# KiCad board EEZ DIB DCP405plus.kicad_pcb (continued)
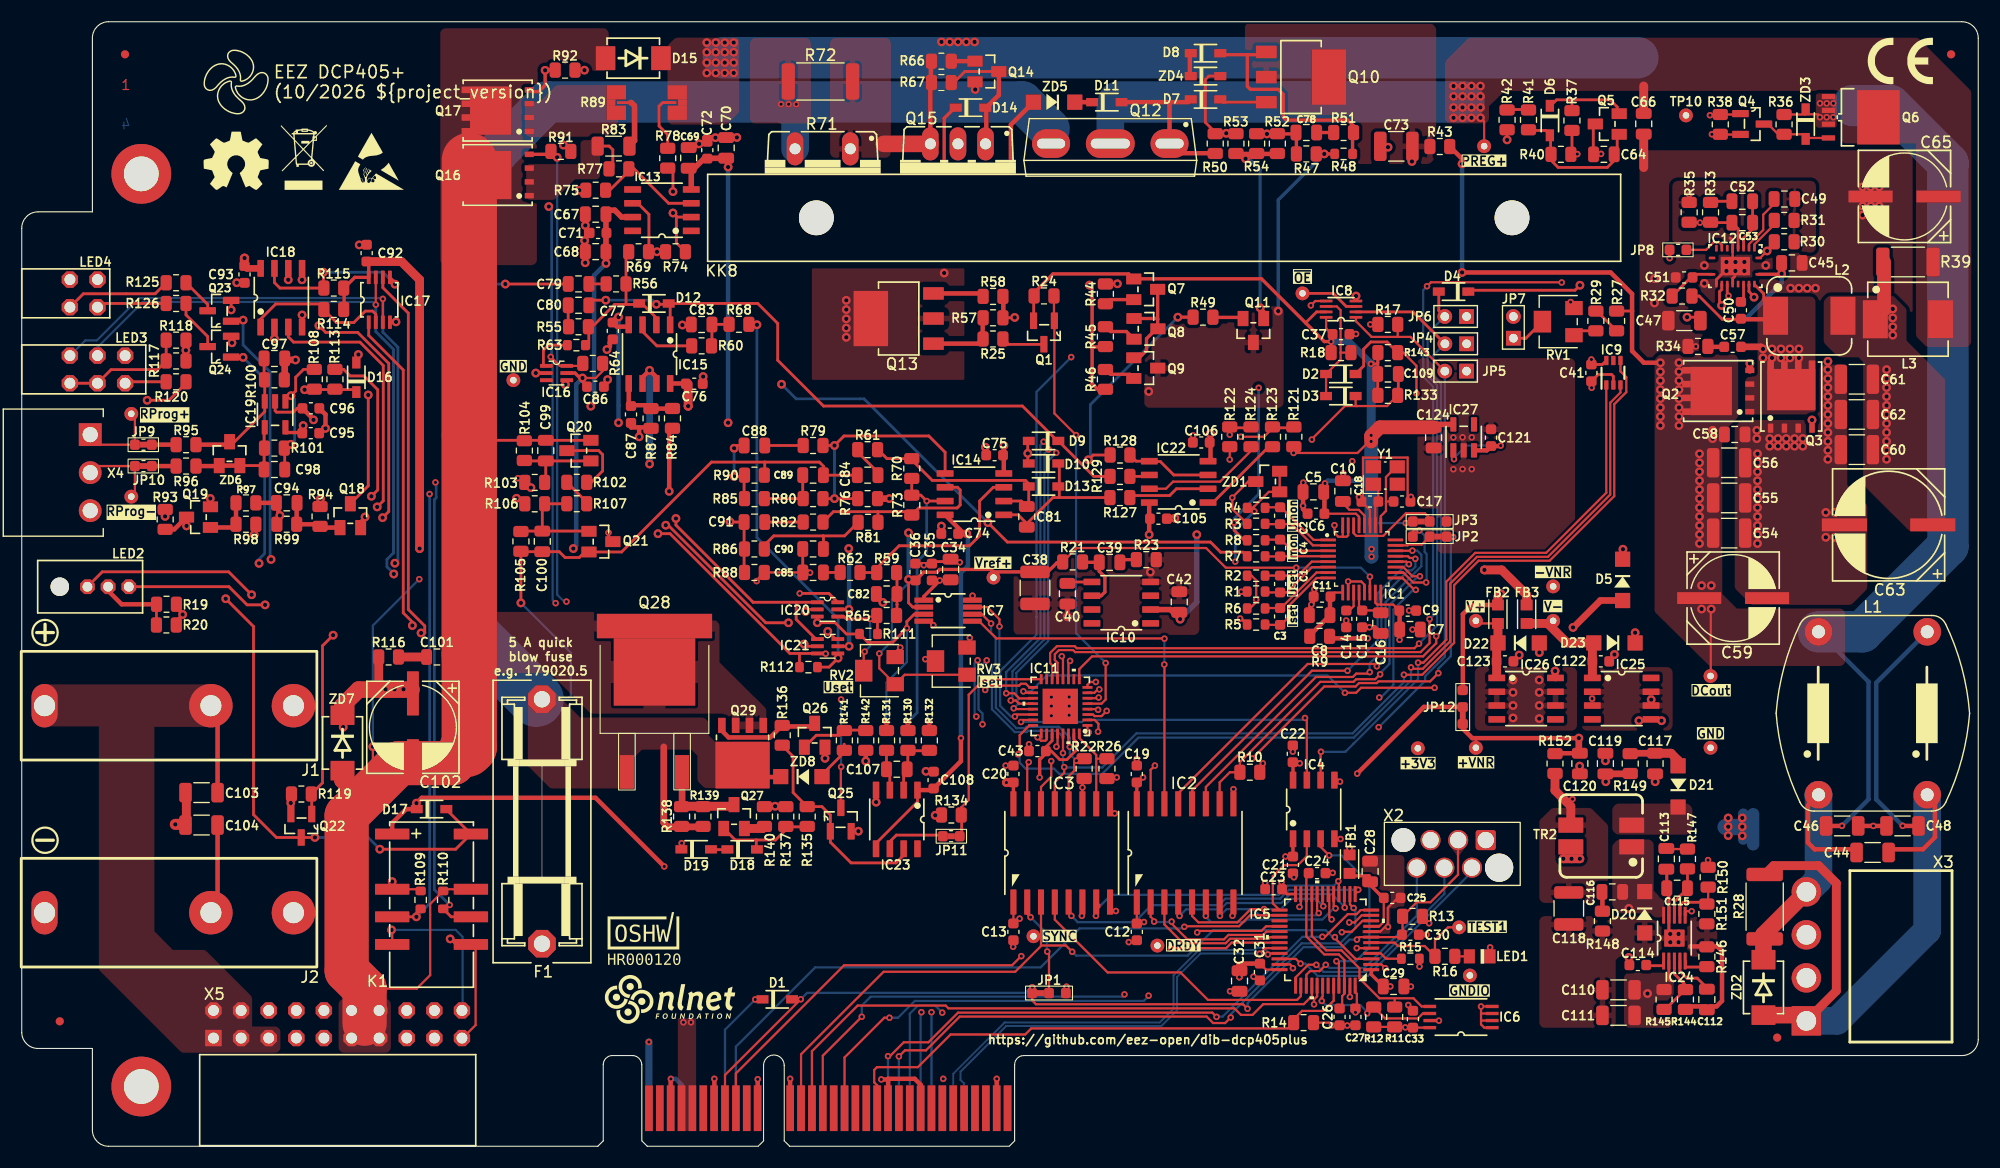
[diagram p0: board, top side]
## Placement (name value [footprint] x y rotation side) (continued)
R137  100K  [R_0805_2012Metric]  70.3 30.35 270 top
R138  1K  [R_0805_2012Metric]  60.71 30.35 270 top
R139  1K  [R_0805_2012Metric]  62.68 30.35 270 top
R140  6R2  [R_0805_2012Metric]  68.33 30.35 270 top
R141  10K  [R_0805_2012Metric]  75.68 37.35 270 top
R142  10K  [R_0805_2012Metric]  77.65 37.35 90 top
R143  10K  [R_0805_2012Metric]  125.68 73.05 0 top
R144  2K2  [R_0805_2012Metric]  153.06 13.51 90 top
R145  47K  [R_0805_2012Metric]  151.09 13.51 90 top
R146  330K  [R_0805_2012Metric]  155.03 17.44 270 top
R147  86K6  [R_0805_2012Metric]  153.25 26.44 270 top
R148  10R  [R_0805_2012Metric]  145.42 20.72 270 top
R149  10R  [R_0805_2012Metric]  147.98 35.22 270 top
R150  51K  [R_0805_2012Metric]  155.15 24.76 270 top
R151  4K7  [R_0805_2012Metric]  155.03 21.38 270 top
R152  10R  [R_0805_2012Metric]  141.06 35.22 90 top
RV1  3214W-1-104E  [TRIM_3214W-1-104E]  141.36 75.9 180 top  (not fitted)
RV2  3214W-1-104E  [TRIM_3214W-1-104E]  78.91 43.78 180 top  (not fitted)
RV3  3214W-1-104E  [TRIM_3214W-1-104E]  85.52 44.65 180 top  (not fitted)
TP1  TEST-PIN_0.9MM  [Testhole 24_50mils]  93.08 19.33 0 top
TP2  TEST-PIN_0.9MM  [Testhole 24_50mils]  104.48 18.47 0 top
TP3  TEST-PIN_0.9MM  [Testhole 24_50mils]  132.24 20.15 0 top
TP4  TEST-PIN_0.9MM  [Testhole 24_50mils]  133.23 15.72 0 top
TP5  TEST-PIN_0.9MM  [Testhole 24_50mils]  117.83 78.5 0 top
TP6  PCB_TEST_TABSHIELD  [Testhole 24_50mils]  89.4 52.34 0 top
TP7  PCB_TEST_TABSHIELD  [Testhole 24_50mils]  45.23 70.51 0 top
TP8  PCB_TEST_TABSHIELD  [Testhole 24_50mils]  155.37 36.68 0 top
TP9  TEST-PIN_0.9MM  [Testhole 24_50mils]  155.37 43.28 0 top
TP10  TEST-PIN_0.9MM  [Testhole 24_50mils]  153.11 94.88 0 top
TP11  TEST-PIN_0.9MM  [Testhole 24_50mils]  134.54 92.05 0 top
TP12  PCB_TEST_TABSHIELD  [Testhole 24_50mils]  10.08 67.41 0 top
TP13  PCB_TEST_TABSHIELD  [Testhole 24_50mils]  10.08 59.79 0 top
TP14  TEST-PIN_0.9MM  [Testhole 24_50mils]  140.89 51.53 0 top
TP15  TEST-PIN_0.9MM  [Testhole 24_50mils]  133.78 36.68 0 top
TP16  TEST-PIN_0.9MM  [Testhole 24_50mils]  133.78 48.36 0 top
TP17  TEST-PIN_0.9MM  [Testhole 24_50mils]  140.89 48.36 0 top
TP18  TEST-PIN_0.9MM  [Testhole 24_50mils]  128.44 36.63 0 top
TR2  SRF0703-821M  [SRF0703]  145.31 28.56 270 top
X1  PCB Edge connector  [DIB 2.0 edge card connector]  57.3 4.05 0 top
X2  N.C.  [WR-WST_490107670612_DEBUG]  134.69 28.18 0 top
X3  B4PS-VH (LF)(SN)  [B4PS-VH]  164.19 17.48 90 top
X4  -  [TBP03R1-350-03BE]  6.3 65.5 270 top
X5  ZL263-20DG  [SSW-110-02-T-D-RA]  40.5 12.5 180 top
Y1  ECS-163.84-10-33-JGN-TR  [XTAL_403C11A24M00000]  125.45 61.73 90 top
ZD1  CDSOT23-SLVU2.8  [SOT23-3]  114.63 61.18 90 top  (not fitted)
ZD2  P6SMB68A  [DO214AA]  160.24 14.62 270 top
ZD3  BZX384-C15  [SOD-323_1P8X1P35_ONS-M]  164.12 94.08 270 top
ZD4  BZX384-C15  [SOD-323_1P8X1P35_ONS-M]  108.91 98.5 0 top
ZD5  BZT52C6V2  [SOD123]  94.98 96.1 180 top
ZD6  SLVU2.8.TCT  [SOT23-3]  19.12 63.75 0 top
ZD7  P6SMB68A  [DO214AA]  29.51 37.12 270 top
ZD8  MMSZ5230BT1G  [SOD123]  71.73 34.03 0 top

## Library data of the parts
C1 = -: DigiKey: 1276-1018-1-ND; Mouser: 187-CL10B102KB8NNNC; TME: CL10B102KB8NNNC; LCSC: C1588; Label: Uset; Arrow (EUROPE): CL10B104KA8NNNC; Arrow (ACNA): C0805C102J5GAC
C2 = -: DigiKey: 1276-1018-1-ND; Mouser: 187-CL10B102KB8NNNC; TME: CL10B102KB8NNNC; LCSC: C1588; Label: Umon; Arrow (EUROPE): CL10B104KA8NNNC; Arrow (ACNA): C0805C102J5GAC
C3 = -: DigiKey: 1276-1018-1-ND; Mouser: 187-CL10B102KB8NNNC; TME: CL10B102KB8NNNC; LCSC: C1588; Label: Iset; Arrow (EUROPE): CL10B104KA8NNNC; Arrow (ACNA): C0805C102J5GAC
C4 = -: DigiKey: 1276-1018-1-ND; Mouser: 187-CL10B102KB8NNNC; TME: CL10B102KB8NNNC; LCSC: C1588; Label: Imon; Arrow (EUROPE): CL10B104KA8NNNC; Arrow (ACNA): C0805C102J5GAC
C5 C7 C8 C10 C16 C28 C29 C34 C39 C40 C66 C68 C70 C124 = -: DigiKey: 1276-2931-1-ND; Mouser: 603-CC805MKX7R7BB105; TME: CL21B105KOFNNNE
C6 C9 C11-C13 C15 C19-C23 C25 C27 C31 C33 C35-C37 C41 C43 C50 C71 C72 C74-C77 C86 C87 C105 C106 C108 C114 C121-C123 = -: DigiKey: 1276-6717-1-ND; Mouser: 80-C0603C104M4R; TME: CL10B104KA8NNNC; LCSC: C14663; Arrow (EUROPE): CL10B104KA8NNNC; Arrow (ACNA): CL10B104KA8NNNC
C14 = -: DigiKey: 490-16405-1-ND; Mouser: 81-GCM188R71C274KA7D; TME: GCM188R71C274KA37D; LCSC: C710684
C17 C18 = -: TME: VJ0603A100JXACW1BC; DigiKey: 1276-2149-1-ND; Mouser: 187-CL10C100CB8NNNC; LCSC: C1634; Arrow (EUROPE): CL10C100CB8NNNC; Arrow (ACNA): CL10C100CB8NNNC
C24 C26 = -: DigiKey: 490-12332-1-ND; Mouser: 81-GRT188R61H225KE3D; TME: GRT188R61H225KE13D; LCSC: C77047
C30 C57 = -: DigiKey: 1276-1018-1-ND; Mouser: 187-CL10B102KB8NNNC; TME: CL10B102KB8NNNC; LCSC: C1588; Arrow (EUROPE): CL10B104KA8NNNC; Arrow (ACNA): C0805C102J5GAC
C32 C42 C117 C119 C120 = -: DigiKey: 1276-CL21A475KACLRNCCT-ND; Mouser: 187-CL21A475KAQNNNE; TME: CL21A475KAQNNNE; LCSC: C1779
C38 C118 = -: DigiKey: 1276-1851-1-ND; Mouser: 963-MAAST32MSB7226MP; TME: CL32A226KAJNNNE; LCSC: C52306
C44 C46 C48 C103 C104 = -: DigiKey: 311-4491-1-ND; Mouser: 603-C1206KRX7RABB103; TME: VJ1206Y103KXCTW1BC; Arrow (EUROPE): CC1206KRX7RABB103; Arrow (ACNA): CC1206KRX7RABB103
C45 C58 C101 = -: DigiKey: 587-5014-1-ND; Mouser: 963-HMK212C7474MGHTE; TME: GRM21BR72A474KA73L; LCSC: C97926
C47 C110 C111 = -: DigiKey: 1276-3138-1-ND; Mouser: 187-CL31B225KCHSNNE; TME: C3216X7S2A225KAB
C49 C52 C67 C69 C78 C99 C100 C112 C113 = -: DigiKey: 490-7194-1-ND; Mouser: 710-885012207122; TME: GRM216R71H103KA01D
C51 = -: DigiKey: 732-7847-1-ND; Mouser: 80-C0603C150J5G; TME: C0603C150J5GAC
C53 C85 = -: DigiKey: 732-7853-1-ND; Mouser: 80-C0805C151J5G; TME: 0805N151J500CT
C54-C56 C73 = -: DigiKey: 587-5034-1-ND; Mouser: 810-CGA6M3X7S2A475K; TME: -
C59 C65 = -: DigiKey: PCE3815CT-ND; Mouser: 667-EEE-FK1H470P; LCSC: C278400; Arrow (EUROPE): EEE-FK1H470P; Arrow (ACNA): EEE-FK1H470P
C60-C62 = -: DigiKey: 1276-3387-1-ND; Mouser: 187-CL32A106KBJNNNE; TME: CL31A106KBHNNNE
C63 = -: DigiKey: PCE3819CT-ND; Mouser: 667-EEE-FK1J101P; LCSC: C128460; Arrow (EUROPE): EEE-FK1J101P; Arrow (ACNA): EEE-FK1J101P
C64 = -: DigiKey: 732-7837-1-ND; Mouser: 710-885012007038; TME: CC0805JRNPO9BN471
C79 = -: DigiKey: 399-C0805C682K5RACTUCT-ND; Mouser: 80-C0805C682K5R; TME: 0805B682K500CT
C80 C107 C109 = -: DigiKey: 732-12255-1-ND; Mouser: 80-C0805C472K5RACLR; TME: GRM2165C1H472JA01D
C81 C97 C98 = -: DigiKey: 399-15000-1-ND; Mouser: 80-C0805C101K5G; TME: CL21C101JBANNNC
C82 C83 = -: DigiKey: 1276-2478-1-ND; Mouser: 80-C0805C222K5RACLR; LCSC: C307541; TME: 0805B222K201CT
C84 C116 = -: DigiKey: 311-1117-1-ND; Mouser: 80-C0805C331J5G; TME: C0805C331J5GACTU
C89 C90 = -: DigiKey: 399-C0805C222K5RAC7210TR-ND; Mouser: 80-C0805C222K5RACLR
C92 C93 C95 C96 = -: DigiKey: 1276-6717-1-ND; Mouser: 80-C0603C104M4R; TME: CL10B104KA8NNNC; LCSC: C14663
C94 = -: DigiKey: 1276-2478-1-ND; Mouser: 80-C0805C222K5RACLR; TME: 0805B222K201CT; LCSC: C307541
C102 = -: DigiKey: 565-HHXD630ARA330MHA0GCT-ND; Mouser: 661-XD630ARA330MHA0G; TME: -; LCSC: C2157841
C115 = -: DigiKey: 399-C0805C330J5GACTUCT-ND; Mouser: C0805C330K5GACTU; TME: C0805C330J1GAC
D1-D4 D6-D14 D16-D19 = -: DigiKey: 5399-BAS316CT-ND; Mouser: 637-BAS316WS-AQ; TME: BAS316-QX; LCSC: C2128
D5 D20-D23 = -: DigiKey: RB160MM-60CT-ND; Mouser: 755-RB160MM-60TR; TME: SKL16-DIO; LCSC: C323858
D15 = -: DigiKey: SK56A-LTPMSCT-ND; Mouser: 833-SK56A-LTP; TME: SK55-DIO
F1 = -: DigiKey: 732-11370-ND; Mouser: 710-696101000002
FB1-FB3 = -: Description: Ferrite bead; DigiKey: 490-7809-1-ND; Mouser: 81-BLM18AG102SH1D; LCSC: C337877; ki_fp_filters: Inductor_* L_* *Ferrite*
IC1 = -: Description: 4-Channel, 24-Bit, 128-kSPS, Simultaneous-Sampling, Delta-Sigma ADC; DigiKey: 296-44202-1-ND; Mouser: 595-ADS131A04IPBSR; TME: -; LCSC: C882747
IC2 IC3 = -: Description: General-Purpose 6-Ch (4/2) Reinforced Digital Isolator with Robust EMC; DigiKey: 296-ISO7762DWRCT-ND; Mouser: 595-ISO7762QDWRQ1; TME: -; LCSC: C5216446; Comment: Alternative: ISO6762FDWR
IC4 = -: Description: General Purpose Dual-Channel Functional Isolator; DigiKey: 296-ISO6520DRCT-ND; Mouser: 595-ISO6520DR; TME: -; LCSC: C32273056
IC5 = -: Description: Arm® Cortex®-M33 MCU + FPU, 250 MHz, 256-Kbyte flash; DigiKey: 497-STM32H523CCT6-ND; LCSC: C44521823; Mouser: 511-STM32H523CCT6; ki_fp_filters: LQFP48_STM LQFP48_STM-M LQFP48_STM-L
IC6 = -: Description: I2C-Compatible (2-Wire) Serial EEPROM; DigiKey: 497-16067-1-ND; Mouser: 511-M24C32-DFDW6TP; LCSC: C2971426
IC7 = -: DigiKey: 296-46082-1-ND; Mouser: 595-DAC8552IDGKR; TME: -; LCSC: C136020
IC8 = -: Description: D flip-flop; DigiKey: 1727-74AUP1G74DC-Q100HCT-ND; Mouser: 771-AUP1GDC125; TME: 74AUP1G74DC.125; LCSC: C458192
IC9 = -: Description: 0.25°C SPI Temperature Sensor With 175°C Operation, CRC and Slew Rate Alert; DigiKey: 296-TMP126NDCKRCT-ND; Mouser: 595-TMP126NDCKR; LCSC: C5219998
IC10 = -: Description: Low-Noise, Very Low Drift, Precision Voltage Reference; DigiKey: 296-41382-1-ND; Mouser: 595-REF5025AIDGKR; TME: -; LCSC: C11341
IC11 = -: Description: Ultra low-voltage translating 22-bit SPI I/O expander with Agile I/O features, interrupt output and reset; DigiKey: 568-PCAL9722HNMPCT-ND; Mouser: 771-PCAL9722HNMP; TME: -; LCSC: C24212503
IC12 = -: Description: 75V Synchronous Buck Controller With Wide Input Voltage and Duty Cycle Ranges; DigiKey: 296-47121-1-ND; Mouser: 595-LM5145RGYT; TME: -; LCSC: C485912
IC13 = -: DigiKey: LTC2050HVCS8#TRPBFCT-ND; Mouser: 584-LTC2050HVCS8#PBF; TME: -; LCSC: C679141
IC14 IC15 = -: Description: Low-Noise JFET-Input Dual Operational Amplifier; DigiKey: 296-1282-1-ND; Mouser: 595-TL072CDR; TME: TL072CD-ST; LCSC: C67473
IC16 = -: Description: Single-Pole Double-Throw Analog Switch; DigiKey: 296-14909-1-ND; Mouser: 771-LVC1G3157GV125; TME: SN74LVC1G3157DCKR; LCSC: C38663; Arrow (EUROPE): SN74LVC1G3157DCKR; Arrow (ACNA): SN74LVC1G3157DCKR
IC17 = -: Description: Dual 2-Input Positive AND Gate; DigiKey: 1727-5987-1-ND; Mouser: 771-74LVC2G08DPQ100H; LCSC: C352973
IC18 IC22 = -: DigiKey: LM293DR2GOSCT-ND; Mouser: 863-LM293DR2G; TME: LM293DR; LCSC: C76509
IC19 = -: Description: Low-Noise, Low Quiescent Current, Precision Operational Amplifier; DigiKey: 296-39130-1-ND; Mouser: 595-OPA376AQDBVRQ1G4; LCSC: C42134
IC20 IC21 = -: Description: Single-Pole Double-Throw Analog Switch; DigiKey: 296-14909-1-ND; Mouser: 771-LVC1G3157GV125; LCSC: C38663
IC23 = -: DigiKey: MAX9141ESA+-ND; Mouser: 700-MAX9141ESA; TME: -; LCSC: C3658498; Arrow (EUROPE): MAX9141ESA+; Arrow (ACNA): MAX9141ESA+
IC24 = -: Description: 0.5 A, 60 V Step-Down DC–DC Converter With Eco-Mode™; DigiKey: 296-37148-1-ND; Mouser: 595-TPS54060DGQR; TME: -; LCSC: C12382
IC25 = -: DigiKey: MC79L05ACDR2GOSCT-ND; Mouser: 863-MC79L05ACDR2G; TME: MC79L05ABDR2G; LCSC: C232661
IC26 = -: DigiKey: MC78L05ACDR2GOSCT-ND; Mouser: 863-MC78L05ACDR2G; TME: MC78L05ACDR2G; LCSC: C7371
IC27 = -: Description: 300 mA Low noise Low dropout Regulator With Shutdown; DigiKey: 296-TPS7A2033PDBVRCT-ND; Mouser: 595-TPS7A0333DBVR; LCSC: C2862740
J1 = -: Description: Generic connector, single row, 01x02, script generated (kicad-library-utils/schlib/autogen/connector/); DigiKey: -; Mouser: 164-6221; LCSC: -; ki_fp_filters: Connector*:*_1x??_*
J2 = -: Description: Generic connector, single row, 01x02, script generated (kicad-library-utils/schlib/autogen/connector/); DigiKey: -; Mouser: 164-6220; LCSC: -; ki_fp_filters: Connector*:*_1x??_*
JP4-JP7 = -: DigiKey: M22-2010346-ND; Mouser: 855-M22-2010246; TME: -; LCSC: C5790018
K1 = -: DigiKey: 399-10997-1-ND; Mouser: 80-EE2-12NU-L; TME: FTR-C1GA012G-B05; LCSC: C147864
KK1 KK2 = -: DigiKey: RPC1760-ND; Mouser: 144-PCB-MB-01; TME: RI-PCB-MB-01; LCSC: C959626
KK8 = -: Description: Heatsink extruded; TO220,TOP3; black; L: 84mm; W: 55mm; H: 28mm; DigiKey: 5496-SK9684SA-ND; Mouser: -; LCSC: -; Arrow (EUROPE): SK 96 84 SA; Arrow (ACNA): SK 96 84 SA
L1 = -: DigiKey: 817-2100-ND; Mouser: 631-RN112-4-02-0M7; TME: -
L2 = -: DigiKey: P124167CT-ND; Mouser: 667-ETQ-P4M100KFM; TME: -; LCSC: C6617587
L3 = -: DigiKey: 445-180834-1-ND; Mouser: 810-VLS6045AF-3R3N; TME: ETQP4M3R3YFN
LED1 = -: DigiKey: 160-1414-2-ND; Mouser: 859-LTST-C170KGKT
LED2 = -: Description: 3mm Single-Level Circuit Board Indicator; DigiKey: 754-1718-ND; Mouser: 604-WP42WUM/EGW; TME: L-42WUM/1EGWT; LCSC: C8750275
LED3 = -: Description: LED Circuit Board Indicator 3mm; Red, Green, Yellow; DigiKey: SSF-LXH340LYGID-ND; Mouser: 696-SSFLXH340LYGID; TME: -; LCSC: C17285042
LED4 = -: Description: T-1 (3mm) Bi-level LED Indicator (Red/Yellow); DigiKey: 350-2716-ND; Mouser: 604-WP934MDLYLID; TME: -; LCSC: -
NT1 NT2 = -: ki_fp_filters: Net*Tie*
Q1 = -: DigiKey: BSS84LT1GOSCT-ND; LCSC: C82079; Mouser: 863-BSS84LT1G; TME: BSS84LT1G
Q2 = -: DigiKey: BSC117N08NS5ATMA1CT-ND; Mouser: 726-BSC117N08NS5ATMA; TME: BSC117N08NS5-INF-0; LCSC: C3278730
Q3 = -: DigiKey: BSC039N06NSATMA1CT-ND; Mouser: 726-BSC039N06NSATMA1; TME: BSC039N06NS; LCSC: C6471340
Q4 = -: DigiKey: T2N7002AKLMCT-ND; Mouser: 757-T2N7002AKLM; TME: 2N7002LT1G
Q5 Q8 Q9 = -: DigiKey: MMBT5401-FDICT-ND; Mouser: 621-MMBT5401-F; TME: MMBT5401-DIO; LCSC: C21488; Arrow (EUROPE): MMBT5401LT1G; Arrow (ACNA): MMBT5401LT1G
Q6 = -: DigiKey: 742-SQJ457EP-T1_BE3CT-ND; Mouser: 78-SQJ457EP-T1_BE3; TME: -; LCSC: C7364386
Q7 Q11 Q18-Q20 Q26 = -: DigiKey: MMBT5551LT1GOSCT-ND; Mouser: 637-MMBT5551; TME: MMBT5551-DIO; LCSC: C41095
Q10 Q13 = -: DigiKey: 5399-BCP56-16CT-ND; Mouser: 637-BCP56-16; TME: BCP56-16T1G; Arrow (EUROPE): BCP56-16,115; Arrow (ACNA): BCP56-16,115
Q12 = -: DigiKey: IRFP250PBF-ND; Mouser: 942-IRFP250NPBF; LCSC: C22378637
Q14 = -: DigiKey: 4878-BC857CCT-ND; LCSC: C8666; Mouser: 637-BC857C; TME: BC857C-DIO
Q15 = -: DigiKey: IRFI9Z34GPBF-ND; Mouser: 844-IRFI9Z34GPBF; LCSC: C222460
Q16 Q17 = -: DigiKey: 1727-5292-1-ND; Mouser: 771-PSMN0R925YLC115; TME: PSMN0R9-25YLC.115; LCSC: C179450
Q21 = -: DigiKey: MMBT5401-FDICT-ND; Mouser: 621-MMBT5401-F; TME: MMBT5401-DIO; LCSC: C21488
Q22-Q25 = -: DigiKey: T2N7002AKLMCT-ND; Mouser: 757-T2N7002AKLM; TME: 2N7002LT1G; LCSC: C8545
Q27 = -: DigiKey: FMMT493CT-ND; Mouser: 522-FMMT493TA; LCSC: C435889
Q28 = -: DigiKey: 1740-1290-1-ND; Mouser: 771-BT139B-600E118; TME: BT139B-600E.118; LCSC: C6533556
Q29 = -: DigiKey: 1727-2589-1-ND; Mouser: 771-PSMN013-60YLX; TME: PSMN013-60YLX; LCSC: C503662
R1-R8 R48 = -: DigiKey: 13-RC0603FR-10100RLCT-ND; LCSC: C22775; Mouser: 603-RC0603FR-100RL; TME: CRCW0603100RFKTABC; Arrow (EUROPE): RC0603FR-100RL; Arrow (ACNA): RC0603FR-100RL
R9 R21 R34 R43 R148 R149 R152 = -: TME: SMD0805-10R-1%; DigiKey: 311-10.0CRCT-ND; LCSC: C17415; Mouser: 603-RC0805FR-1010RP; Arrow (EUROPE): RC0805FR-0710RL; Arrow (ACNA): RC0805FR-0710RL
R10 R13 R14 R18 R22 R25-R27 R29 R30 R33 R36 R37 R41 R59 R70 R84 R93 R95-R97 R100 R101 R127-R129 R131 R132 R134 R141-R143 = -: DigiKey: 311-10.0KCRCT-ND; Mouser: 603-RC0805FR-0710KL; TME: RC0805FR-1310KL
R11 R12 R19 = -: DigiKey: 311-1.80KCRCT-ND; Mouser: 603-RC0805FR-131K8L; TME: SMD0805-1K8-1%; LCSC: C137579
R16 = -: DigiKey: A126385CT-ND; Mouser: 71-CRCW0805750RFKEAC; TME: 0805S8F7500T5E; LCSC: C17818
R17 R24 R38 R40 R119 R137 = -: DigiKey: RMCF0805FT100KCT-ND; Mouser: 71-CRCW0805100KFKEAC; TME: 0805S8F1003T5E
R20 R104 R105 R117 R130 = -: DigiKey: A129743CT-ND; Mouser: 652-CR0805FX-3300ELF; TME: 0805S8F3300T5E
R23 R116 = -: DigiKey: 13-RC0805FR-131RLCT-ND; LCSC: C7336808; Mouser: 603-RC0805FR-131RL; TME: RC0805FR-131RL
R31 R51 R64 R91 R92 R94 R98 R99 R145 = -: DigiKey: RHM47KKCT-ND; Mouser: 603-RC0805FR-0747KL; TME: RC0805FR-0747K
R32 R49 R55 = -: DigiKey: 13-RC0805FR-13470RLCT-ND; Mouser: 603-RC0805FR-13470RL; TME: RC0805FR-07470R
R35 R121 R122 = -: DigiKey: A126369CT-ND; Mouser: 279-CRGP0805F3K9; TME: SMD0805-3K9-1%
R39 = -: DigiKey: A129910CT-ND; Mouser: 603-RC2010FK-0715RL; TME: PWR10FTFQ0150
R42 R50 R56 R57 R61 R102 R108 R113 R120 R135 R136 R138 R139 = -: DigiKey: 311-1.00KCRCT-ND; Mouser: 603-RC0805FR-071KL; TME: RC0805FR-071K
R44 = -: DigiKey: 311-1.20KCRCT-ND; LCSC: C114526; Mouser: 603-RC0805FR-071K2L; TME: SMD0805-1K2-1%
R45 R46 R58 R87 R118 = -: DigiKey: RMCF0805FT220RCT-ND; Mouser: 603-RC0805FR-13220RL; TME: CRCW0805220RFKTABC
R47 = -: DigiKey: 311-51.0KCRCT-ND; LCSC: C107233; Mouser: 603-RC0805FR-0751KL; TME: SMD0805-51K-1%
R52 R60 R65-R68 R107 R144 = -: DigiKey: 311-2.20KCRCT-ND; Mouser: 603-RC0805FR-072K2L; TME: 0805S8F2201T5E
R53 = -: DigiKey: 311-16.0KCRCT-ND; LCSC: C137588; Mouser: 603-RC0805FR-0716KL; TME: SMD0805-16K-1%
R54 R103 R106 R125 R126 = -: DigiKey: A126385CT-ND; Mouser: 71-CRCW0805750RFKEAC; TME: CRCW0805750RFKTABC; LCSC: C17818
R62 = -: DigiKey: 311-6.80KCRCT-ND; Mouser: 603-RC0805FR-076K8L; TME: SMD0805-6K8-1%; LCSC: C114550
R63 = -: DigiKey: 311-3.00KCRCT-ND; Mouser: 603-RC0805FR-073KL; LCSC: C126350; TME: SMD0805-3K-1%
R69 R123 R124 = -: DigiKey: 311-6.20KCRCT-ND; LCSC: C114535; Mouser: 603-RC0805FR-076K2L; TME: -
R71 = -: DigiKey: 696-1313-ND; Mouser: 652-PWR220T-35-2R00F; TME: -
R72 = -: DigiKey: CRM2512-JW-2R2ELFCT-ND; Mouser: 279-35222R2JT; TME: WF25P2R2JTL
R73 R76 = -: DigiKey: YAG1974CT-ND; Mouser: 279-CPF0805B7K5E1; TME: AR05BTCW7501
R74 R75 = -: DigiKey: YAG4886CT-ND; LCSC: C865431; Mouser: 603-RT0805BRD0736K5L; TME: -
R77 R78 = -: DigiKey: YAG4940CT-ND; LCSC: C728656; Mouser: 603-RT0805BRD07750RL; TME: ERA6AEB751V
R80 R81 = -: DigiKey: YAG4808CT-ND; LCSC: C122537; Mouser: 603-RT0805BRB07100KL; TME: RT0805BRD07100KL
R83 = -: DigiKey: 1712-CPF1206B1R0E1CT-ND; LCSC: C4106088; Mouser: 279-CPF1206B1R0E1; TME: -
R85 R86 = -: DigiKey: P24KBFCT-ND; LCSC: C136924; Mouser: 667-ERA-6ARB243V; TME: -
R89 = -: DigiKey: 846-GMR100HJBFA10L0CT-ND; Mouser: 755-GMR100HJBFA10L0; TME: -; LCSC: -
R114 R115 R133 R151 = -: DigiKey: 311-4.70KCRCT-ND; Mouser: 603-RC0805FR-074K7L; TME: 0805S8F4701T5E; LCSC: C60816
R140 = -: DigiKey: 311-6.20CRCT-ND; Mouser: 603-RC0805FR-076R2L; TME: RC0805JR-076R2
R146 = -: DigiKey: A126361CT-ND; Mouser: 652-CR0805FX-3303ELF; TME: 0805S8F3303T5E
R147 = -: DigiKey: 311-86.6KCRCT-ND; Mouser: 603-RT0805FRE0786K6L; TME: CRCW080586K6FKTABC
R150 = -: DigiKey: 311-51.0KCRCT-ND; Mouser: 603-RC0805FR-0751KL; TME: SMD0805-51K-1%; LCSC: C107233
RV1 = -: Description: Trim-potentiometer; DigiKey: 3214W-104ECT-ND; Mouser: 652-3214W-1-104E; LCSC: C780201; ki_fp_filters: Potentiometer*
RV2 = -: Description: Trim-potentiometer; DigiKey: 3214W-104ECT-ND; Mouser: 652-3214W-1-104E; LCSC: C780201; Label: Uset; ki_fp_filters: Potentiometer*
RV3 = -: Description: Trim-potentiometer; DigiKey: 3214W-104ECT-ND; Mouser: 652-3214W-1-104E; LCSC: C780201; Label: Iset; ki_fp_filters: Potentiometer*
TP1 = -: Label: SYNC
TP2 = -: Label: DRDY
TP3 = -: Label: TEST1
TP4 = -: Label: GNDIO
TP5 = -: Label: ~{OE}
TP6 = -: Label: Vref+
TP7 TP8 = -: Label: GND
TP9 = -: Label: DCout
TP10 = -: Label: DUTY _100
TP11 = -: Label: PREG+
TP12 = -: Label: RProg+
TP13 = -: Label: RProg-
TP14 = -: Label: -VNR
TP15 = -: Label: +VNR
TP16 = -: Label: V+
TP17 = -: Label: V-
TP18 = -: Label: +3V3
TR2 = -: DigiKey: SRF0703-821MCT-ND; Mouser: 652-SRF0703-821M; TME: -
X1 = -: Description: 64-pin connector
X2 = -: Description: SKEDD 2.54mm Pitch 6 Pin
X3 = -: DigiKey: 455-B4PS-VH-ND; Mouser: 306-B4PS-VHLFSN; TME: B4PS-VH; ki_fp_filters: Connector*:*_1x??_*
X4 = -: Description: Generic connector, single row, 01x03, script generated (kicad-library-utils/schlib/autogen/connector/); DigiKey: 2223-TBP03R1-350-03BE-ND; Mouser: 179-TBP03R1-350-03BE; TME: -; LCSC: C3581987; ki_fp_filters: Connector*:*_1x??_*
X5 = -: Description: 2x10 pin connector, female, right angle; DigiKey: PPPC102LJBN-RC; Mouser: 710-613020243121; LCSC: C239361; ki_fp_filters: Connector*:*2Rows*Pins__* *FCC*2Rows*Pins__*
Y1 = -: DigiKey: 535-9676-1-ND; Mouser: 815-ABM8-16.3-10-1UT; TME: -; LCSC: C17254510
ZD1 = -: DigiKey: CDSOT23-SLVU2.8TR-ND; Mouser: 652-CDSOT23-SLVU2.8; TME: SLVU2.8.TCT
ZD2 ZD7 = -: DigiKey: P6SMB68ABBCT-ND; LCSC: C126829; Mouser: 652-P6SMB68A; TME: P6SMB68A-LF; Arrow (EUROPE): P6SMB6.8A
ZD3 = -: DigiKey: 1727-4986-1-ND; LCSC: C454989; Mouser: 78-BZX384C15-E3-08; TME: BZX384-C15.115
ZD4 = -: DigiKey: 1727-BZX384-C15-QFCT-ND; LCSC: C454989; Mouser: 78-BZX384C15-E3-08; TME: BZX384-C15.115; Arrow (EUROPE): BZX384C15; Arrow (ACNA): BZX384C15
ZD5 = -: DigiKey: 4878-BZT52C6V2CT-ND; LCSC: C397931; Mouser: 621-BZT52C6V2-13-F; TME: BZT52C6V2-DC
ZD6 = -: DigiKey: SLVU2.8.TCTCT-ND; Mouser: 652-CDSOT23-SLVU2.8; LCSC: C97567
ZD8 = -: DigiKey: MMSZ4V7T1GOSCT-ND; Mouser: 863-MMSZ5230BT1G; LCSC: C236191; Label: 4.7V

## Footprints (pads in the part's own frame, mm; a bottom-side part is the same pattern mirrored in y, then rotated)
572-0100
  round 4 hole 1.94: 1(7.6,0) 2(0,0)
  oval 2.4x4 hole 1.94: 1(22.9,0)
572-0500
  round 4 hole 1.94: 1(7.6,0) 2(0,0)
  oval 2.4x4 hole 1.94: 1(22.9,0)
B4PS-VH
  rect 2.71x2.71 hole 1.81: 1(-5.94,0)
  round 2.71 hole 1.81: 2(-1.98,0) 3(1.98,0) 4(5.94,0)
BEAD0603
  rrect 1x1.1 smd: 1(-0.85,0) 2(0.85,0)
C_0603_1608Metric
  rrect 0.9x0.95 smd: 1(-0.775,0) 2(0.775,0)
C_0805_2012Metric
  rrect 1x1.45 smd: 1(-0.95,0) 2(0.95,0)
C_1206_3216Metric
  rrect 1.15x1.8 smd: 1(-1.475,0) 2(1.475,0)
C_1210_3225Metric
  rrect 1.15x2.7 smd: 1(-1.475,0) 2(1.475,0)
CAPAE830X1050N
  rrect 4.064x1.092 smd: +(-3.124,0) -(3.124,0)
CAPAE1030X1050N
  rrect 4.166x1.194 smd: +(-4.064,0) -(4.064,0)
COILCRAFT_HPI0630
  rrect 2.3x3.5 smd: 1(-3,0) 2(3,0)
DCK6
  rrect 0.85x0.4 smd: 1(-1.125,0.65) 2(-1.125,0) 3(-1.125,-0.65) 4(1.125,-0.65) 5(1.125,0) 6(1.125,0.65)
DCT8
  rrect 1.232x0.356 smd: 1(-2.064,0.975) 2(-2.064,0.325) 3(-2.064,-0.325) 4(-2.064,-0.975) 5(2.064,-0.975) 6(2.064,-0.325) 7(2.064,0.325) 8(2.064,0.975)
DCU8
  rrect 1.168x0.254 smd: 1(-1.372,0.75) 2(-1.372,0.25) 3(-1.372,-0.25) 4(-1.372,-0.75) 5(1.372,-0.75) 6(1.372,-0.25) 7(1.372,0.25) 8(1.372,0.75)
DGK8-M
  rrect 1.727x0.483 smd: 1(-2.235,0.965) 2(-2.235,0.33) 3(-2.235,-0.33) 4(-2.235,-0.965) 5(2.235,-0.965) 6(2.235,-0.33) 7(2.235,0.33) 8(2.235,0.965)
DIB 2.0 edge card connector
  rect 0.7x4.2 smd far side: A1(0.4,-0.55) A2(1.4,-0.55) A3(2.4,-0.55) A4(3.4,-0.55) A5(4.4,-0.55) A6(5.4,-0.55) A7(6.4,-0.55) A8(7.4,-0.55) A9(8.4,-0.55) A10(9.4,-0.55) A11(10.4,-0.55) A12(13.397,-0.55) A13(14.397,-0.55) A14(15.397,-0.55) A15(16.397,-0.55) A16(17.397,-0.55) A17(18.397,-0.55) A18(19.397,-0.55) A19(20.397,-0.55) A20(21.397,-0.55) A21(22.397,-0.55) A22(23.397,-0.55) A23(24.397,-0.55) A24(25.397,-0.55) A25(26.397,-0.55) A26(27.397,-0.55) A27(28.397,-0.55) A28(29.397,-0.55) A29(30.397,-0.55) A30(31.397,-0.55) A31(32.397,-0.55) A32(33.397,-0.55)
  rect 0.7x4.2 smd: B1(0.4,-0.55) B2(1.4,-0.55) B3(2.4,-0.55) B4(3.4,-0.55) B5(4.4,-0.55) B6(5.4,-0.55) B7(6.4,-0.55) B8(7.4,-0.55) B9(8.4,-0.55) B10(9.4,-0.55) B11(10.4,-0.55) B12(13.397,-0.55) B13(14.397,-0.55) B14(15.397,-0.55) B15(16.397,-0.55) B16(17.397,-0.55) B17(18.397,-0.55) B18(19.397,-0.55) B19(20.397,-0.55) B20(21.397,-0.55) B21(22.397,-0.55) B22(23.397,-0.55) B23(24.397,-0.55) B24(25.397,-0.55) B25(26.397,-0.55) B26(27.397,-0.55) B27(28.397,-0.55) B28(29.397,-0.55) B29(30.397,-0.55) B30(31.397,-0.55) B31(32.397,-0.55) B32(33.397,-0.55)
DO214AA
  rrect 1.8x2.2 smd: A(2.55,0) C(-2.55,0)
DW16
  rrect 2.311x0.559 smd: 1(-4.521,4.445) 2(-4.521,3.175) 3(-4.521,1.905) 4(-4.521,0.635) 5(-4.521,-0.635) 6(-4.521,-1.905) 7(-4.521,-3.175) 8(-4.521,-4.445) 9(4.521,-4.445) 10(4.521,-3.175) 11(4.521,-1.905) 12(4.521,-0.635) 13(4.521,0.635) 14(4.521,1.905) 15(4.521,3.175) 16(4.521,4.445)
Fiducial_0.75mm_Mask1.5mm
  round 0.75 smd: (0,0)
FTR-C1
  rrect 1x3.16 smd: 1(-6.35,-3.62) 3(-1.27,-3.62) 4(1.27,-3.62) 5(3.81,-3.62) 8(3.81,3.62) 9(1.27,3.62) 10(-1.27,3.62) 12(-6.35,3.62)
HVQFN32_SOT617-1_NXP-M
  rect 0.914x0.254 smd: 1(-2.502,1.75) 2(-2.502,1.25) 3(-2.502,0.75) 4(-2.502,0.25) 5(-2.502,-0.25) 6(-2.502,-0.75) 7(-2.502,-1.25) 8(-2.502,-1.75) 17(2.502,-1.75) 18(2.502,-1.25) 19(2.502,-0.75) 20(2.502,-0.25) 21(2.502,0.25) 22(2.502,0.75) 23(2.502,1.25) 24(2.502,1.75)
  rect 0.254x0.914 smd: 9(-1.75,-2.502) 10(-1.25,-2.502) 11(-0.75,-2.502) 12(-0.25,-2.502) 13(0.25,-2.502) 14(0.75,-2.502) 15(1.25,-2.502) 16(1.75,-2.502) 25(1.75,2.502) 26(1.25,2.502) 27(0.75,2.502) 28(0.25,2.502) 29(-0.25,2.502) 30(-0.75,2.502) 31(-1.25,2.502) 32(-1.75,2.502)
  rect 3.251x3.251 smd: 33(0,0)
JP2 open (0603)
  rrect 0.9x0.95 smd: 1(-0.769,0) 2(0.781,0)
JP2 shorted (0603)
  rrect 0.9x0.95 smd: 1(-0.769,0) 2(0.781,0)
JP3 shorted (0603)
  rrect 0.9x0.95 smd: COM(-0.77,0) NC(0.78,0) NO(-2.32,0)
L-42WUM-1EGWT
  round 1.7 hole 1.7 unplated: (0,0)
  rrect 1.35x1.35 hole 0.9: CC(4.445,0) GREEN(6.35,0) RED(2.54,0)
LED_LTST-C170KGKT_LTO-L
  rect 1.016x1.295 smd: A(0.953,0) C(-0.953,0)
LQFP-48_7X7MM
  rrect 1.473x0.279 smd: 1(-4.216,2.743) 2(-4.216,2.261) 3(-4.216,1.753) 4(-4.216,1.245) 5(-4.216,0.762) 6(-4.216,0.254) 7(-4.216,-0.254) 8(-4.216,-0.762) 9(-4.216,-1.245) 10(-4.216,-1.753) 11(-4.216,-2.261) 12(-4.216,-2.743) 25(4.216,-2.743) 26(4.216,-2.261) 27(4.216,-1.753) 28(4.216,-1.245) 29(4.216,-0.762) 30(4.216,-0.254) 31(4.216,0.254) 32(4.216,0.762) 33(4.216,1.245) 34(4.216,1.753) 35(4.216,2.261) 36(4.216,2.743)
  rrect 0.279x1.473 smd: 13(-2.743,-4.216) 14(-2.261,-4.216) 15(-1.753,-4.216) 16(-1.245,-4.216) 17(-0.762,-4.216) 18(-0.254,-4.216) 19(0.254,-4.216) 20(0.762,-4.216) 21(1.245,-4.216) 22(1.753,-4.216) 23(2.261,-4.216) 24(2.743,-4.216) 37(2.743,4.216) 38(2.261,4.216) 39(1.753,4.216) 40(1.245,4.216) 41(0.762,4.216) 42(0.254,4.216) 43(-0.254,4.216) 44(-0.762,4.216) 45(-1.245,4.216) 46(-1.753,4.216) 47(-2.261,4.216) 48(-2.743,4.216)
M22-2010246
  rect 1.358x1.358 hole 0.8: 1(-1,0)
  round 1.358 hole 0.8: 2(1,0)
NetTie-2_SMD_Pad0.2mm
  round 0.2 smd: 1(-0.2,0) 2(0.2,0)
NetTie-2_SMD_Pad1.5mm
  round 1.5 smd: 1(-1,0) 2(1,0)
PANASONIC_ETQ-P4_KFM
  rrect 2.3x3.5 smd: 1(-3.1,0) 2(3.1,0)
PCB-MB-01
  round 5.5 hole 3.2: (0,0)
PowerPAK SO-8
  rect 0.483x1.219 smd: 1(-1.905,-3.556) 2(-0.635,-3.556) 3(0.635,-3.556) 4(1.905,-3.556)
  rect 5.004x3.912 smd: MB(0,1.041)
QFP50P700X700X120-32N
  rrect 1.44x0.26 smd: 1(-3.095,1.75) 2(-3.095,1.25) 3(-3.095,0.75) 4(-3.095,0.25) 5(-3.095,-0.25) 6(-3.095,-0.75) 7(-3.095,-1.25) 8(-3.095,-1.75) 17(3.095,-1.75) 18(3.095,-1.25) 19(3.095,-0.75) 20(3.095,-0.25) 21(3.095,0.25) 22(3.095,0.75) 23(3.095,1.25) 24(3.095,1.75)
  rrect 0.26x1.44 smd: 9(-1.75,-3.095) 10(-1.25,-3.095) 11(-0.75,-3.095) 12(-0.25,-3.095) 13(0.25,-3.095) 14(0.75,-3.095) 15(1.25,-3.095) 16(1.75,-3.095) 25(1.75,3.095) 26(1.25,3.095) 27(0.75,3.095) 28(0.25,3.095) 29(-0.25,3.095) 30(-0.75,3.095) 31(-1.25,3.095) 32(-1.75,3.095)
R_0603_1608Metric
  rrect 0.8x0.95 smd: 1(-0.825,0) 2(0.825,0)
R_0805_2012Metric
  rrect 1.025x1.4 smd: 1(-0.912,0) 2(0.912,0)
R_1206_3216Metric
  rrect 1.125x1.75 smd: 1(-1.462,0) 2(1.462,0)
R_2010_5025Metric
  rrect 1.225x2.65 smd: 1(-2.312,0) 2(2.312,0)
R_2512-4WIRE
  rect 0.8x0.584 smd: 1(-3.289,0) 2(3.289,0)
  rect 1.778x1.308 smd: 1(-2.8,0.938) 1(-2.8,-0.938) 2(2.8,0.938) 2(2.8,-0.938)
  rrect 1.27x0.254 smd: 1S(-2.1,0) 2S(2.1,0)
R_2512_6332Metric
  rrect 1.225x3.35 smd: 1(-2.962,0) 2(2.962,0)
RGY0020B
  rrect 0.24x0.6 smd: 1(-0.75,2.15) 10(-0.75,-2.15) 11(0.75,-2.15) 20(0.75,2.15)
  rrect 0.6x0.24 smd: 2(-1.65,1.75) 3(-1.65,1.25) 4(-1.65,0.75) 5(-1.65,0.25) 6(-1.65,-0.25) 7(-1.65,-0.75) 8(-1.65,-1.25) 9(-1.65,-1.75) 12(1.65,-1.75) 13(1.65,-1.25) 14(1.65,-0.75) 15(1.65,-0.25) 16(1.65,0.25) 17(1.65,0.75) 18(1.65,1.25) 19(1.65,1.75)
  rrect 1.7x2.7 smd: 21(0,0)
RN112
  round 2.54 hole 1.2: 1(-7.5,5) 2(7.5,5) 3(-7.5,-5) 4(7.5,-5)
SK96_84
  round 6.5 hole 3.2 unplated: (10,4) (74,4)
SOD123
  rrect 1.4x1.4 smd: A(1.9,0) C(-1.9,0)
SOD-323_1P8X1P35_ONS-M
  rect 1.092x0.762 smd: A(1.359,0) C(-1.359,0)
SOIC127P600X173-8N
  rrect 1.55x0.6 smd: 1(-2.7,1.9) 2(-2.7,0.63) 3(-2.7,-0.64) 4(-2.7,-1.91) 5(2.7,-1.91) 6(2.7,-0.64) 7(2.7,0.63) 8(2.7,1.9)
SOP50P490X110-11N
  rrect 1.549x0.279 smd: 1(-2.108,0.991) 2(-2.108,0.508) 3(-2.108,0) 4(-2.108,-0.508) 5(-2.108,-0.991) 6(2.108,-0.991) 7(2.108,-0.508) 8(2.108,0) 9(2.108,0.508) 10(2.108,0.991)
  rrect 1.575x1.88 smd: TP(0,0)
SOT23-3
  rrect 1x1.4 smd: 1(-0.95,-1.1) 2(0.95,-1.1) 3(0,1.1)
SOT23-5L_STM
  rrect 1.321x0.559 smd: 1(-1.194,0.95) 2(-1.194,0) 3(-1.194,-0.95) 4(1.194,-0.95) 5(1.194,0.95)
SOT23-BEC
  rrect 1x1.4 smd: B(-0.95,-1.1) C(0,1.1) E(0.95,-1.1)
SOT65P210X110-6N
  rrect 1.168x0.356 smd: 1(-0.94,0.66) 2(-0.94,0) 3(-0.94,-0.66) 4(0.94,-0.66) 5(0.94,0) 6(0.94,0.66)
SOT103P240X110-3N
  rrect 1.524x0.66 smd: 1(-1.079,0.965) 2(-1.079,-0.95) 3(1.079,0)
SOT223-BCE
  rrect 1.905x1.143 smd: B(-3.2,2.311) C(-3.2,0) E(-3.2,-2.311)
  rrect 3.175x5.08 smd: C(2.565,0)
SOT669
  rrect 0.7x1.4 smd: 1(-1.905,-2.65) 2(-0.635,-2.65) 3(0.635,-2.65) 4(1.905,-2.65)
  rrect 5x4.3 smd: MB(0,1)
SRF0703
  rrect 1.4x2.3 smd: 1(1,2.8) 2(-1,2.8) 3(-1,-2.8) 4(1,-2.8)
SSF-LXH340LYGID
  rrect 1.5x1.5 hole 1: GA(1.27,1.27) GC(1.27,-1.27) RA(-1.27,1.27) RC(-1.27,-1.27) YA(3.81,1.27) YC(3.81,-1.27)
SSW-110-02-T-D-RA
  rect 1.5x1.5 hole 1: 1(22.86,2.54)
  rrect 1.5x1.5 hole 1: 2(22.86,0) 3(20.32,2.54) 4(20.32,0) 5(17.78,2.54) 6(17.78,0) 7(15.24,2.54) 8(15.24,0) 9(12.7,2.54) 10(12.7,0) 11(10.16,2.54) 12(10.16,0) 13(7.62,2.54) 14(7.62,0) 15(5.08,2.54) 16(5.08,0) 17(2.54,2.54) 18(2.54,0) 19(0,2.54) 20(0,0)
TBP03R1-350-03BE
  rect 2.1x2.1 hole 1.4: 1(0,0)
  round 2.1 hole 1.4: 2(3.5,0) 3(7,0)
TDSON-8
  rrect 0.838x0.508 smd: 1(-2.913,1.905) 2(-2.913,0.635) 3(-2.913,-0.635) 4(-2.913,-1.905)
  rrect 0.813x0.61 smd: 5(2.913,-1.905) 6(2.913,-0.635) 7(2.913,0.635) 8(2.913,1.905)
  rect 3.81x4.445 smd: 8(0.635,0)
Testhole 24_50mils
  round 1.27 hole 0.61: 1(0,0)
TO220-2-V
  oval 1.524x3.048 hole 1.016: 1(-2.54,0.254) 2(2.54,0.254)
TO220FP-V
  oval 1.524x3.048 hole 1.016: 1(-2.54,-0.203) 2(0,-0.203) 3(2.54,-0.203)
